# Altium PCB PCB.PcbDoc
Units mil, origin at the board's own origin, x right, y up, seen from the top; angles counter-clockwise.
Board outline 2933.07 x 3149.61 mil, 2 copper layers (Top Layer, Bottom Layer), stack 61.855 mil thick; 32 components, 26 nets, 107 pads, 47 vias.
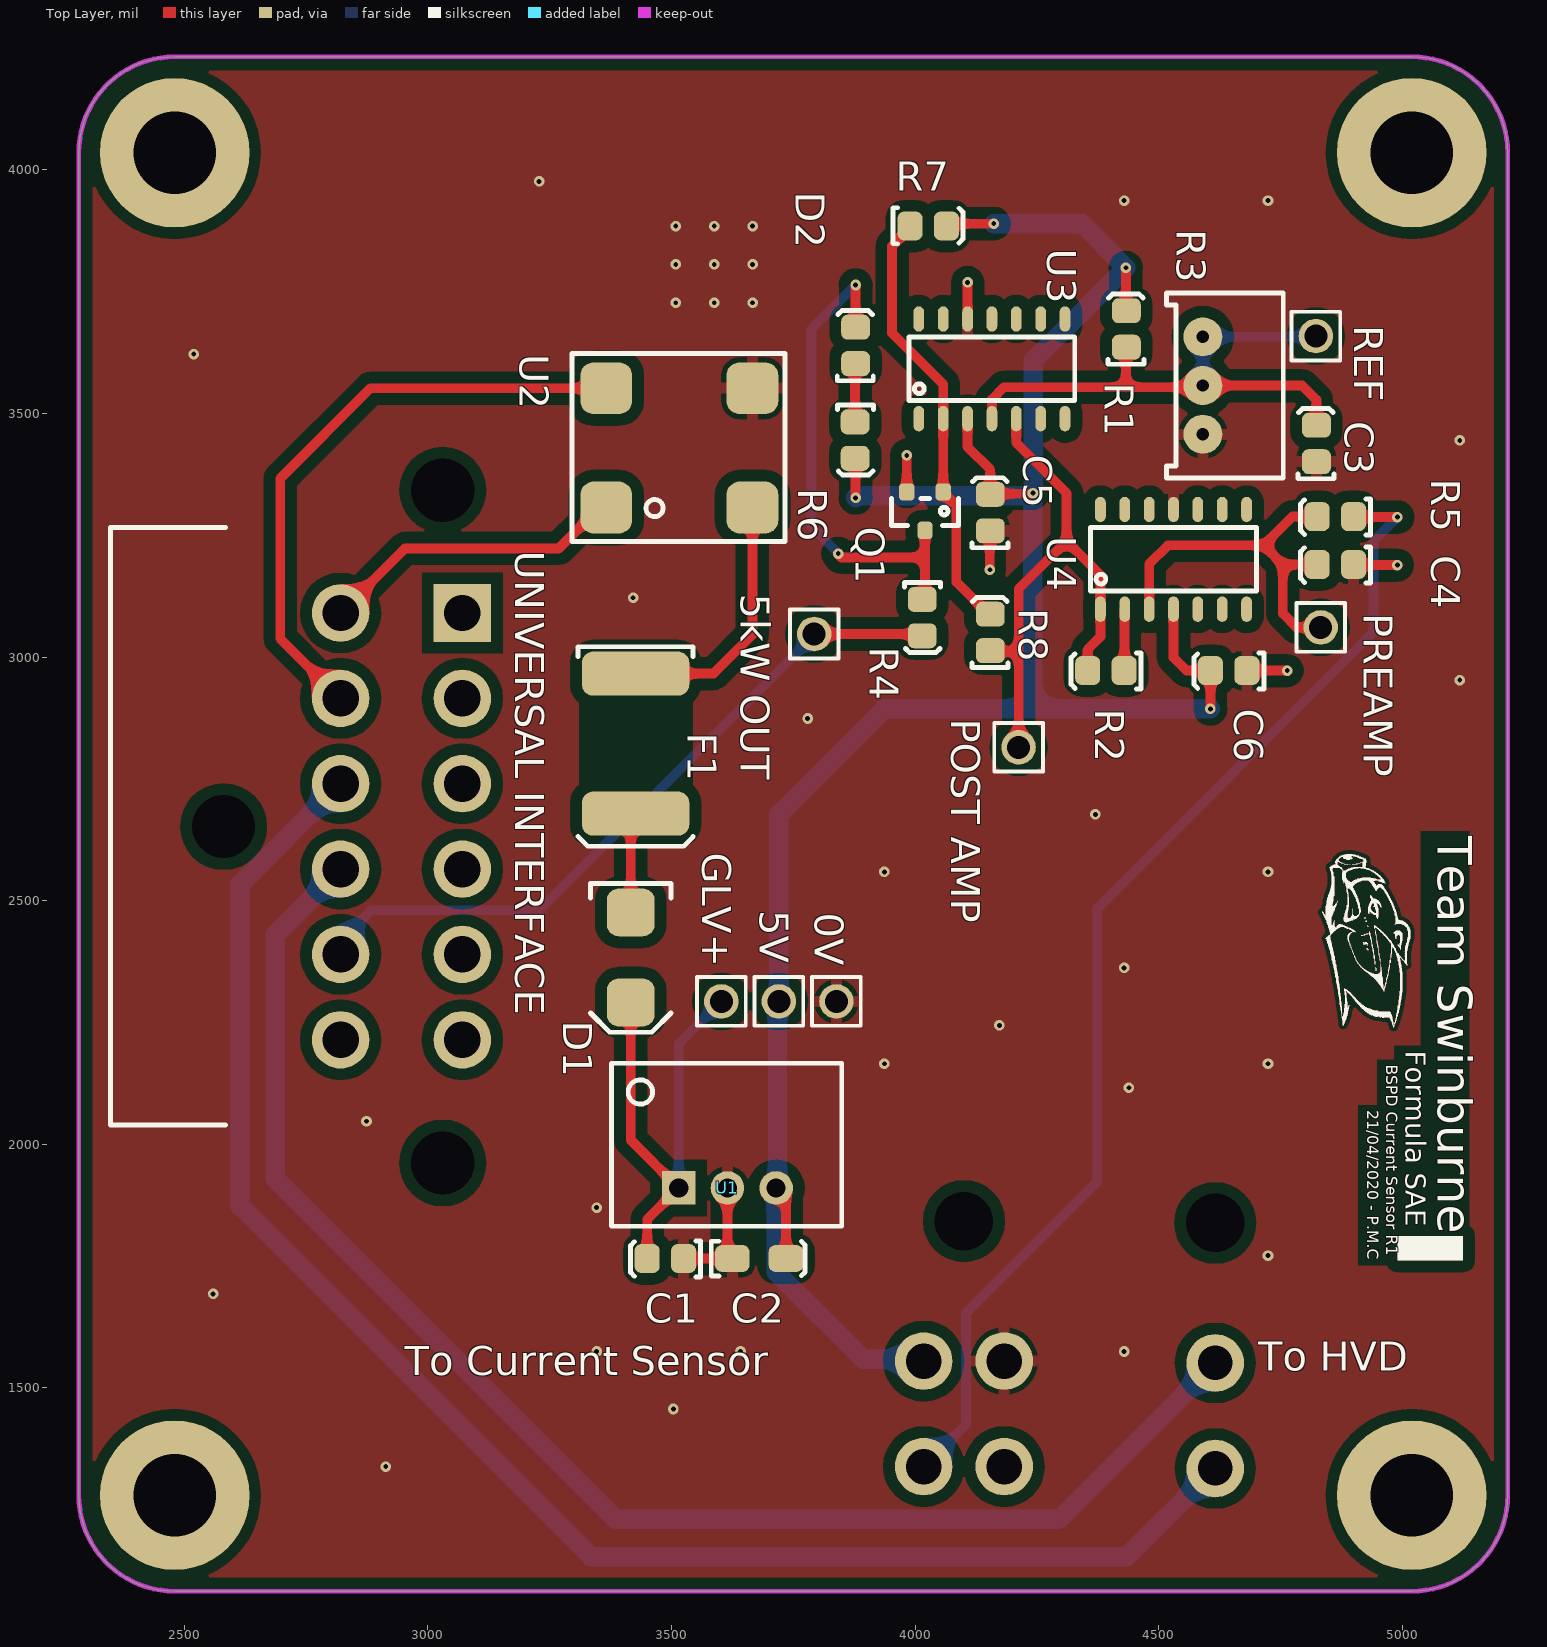
[diagram p0: Top Layer view]
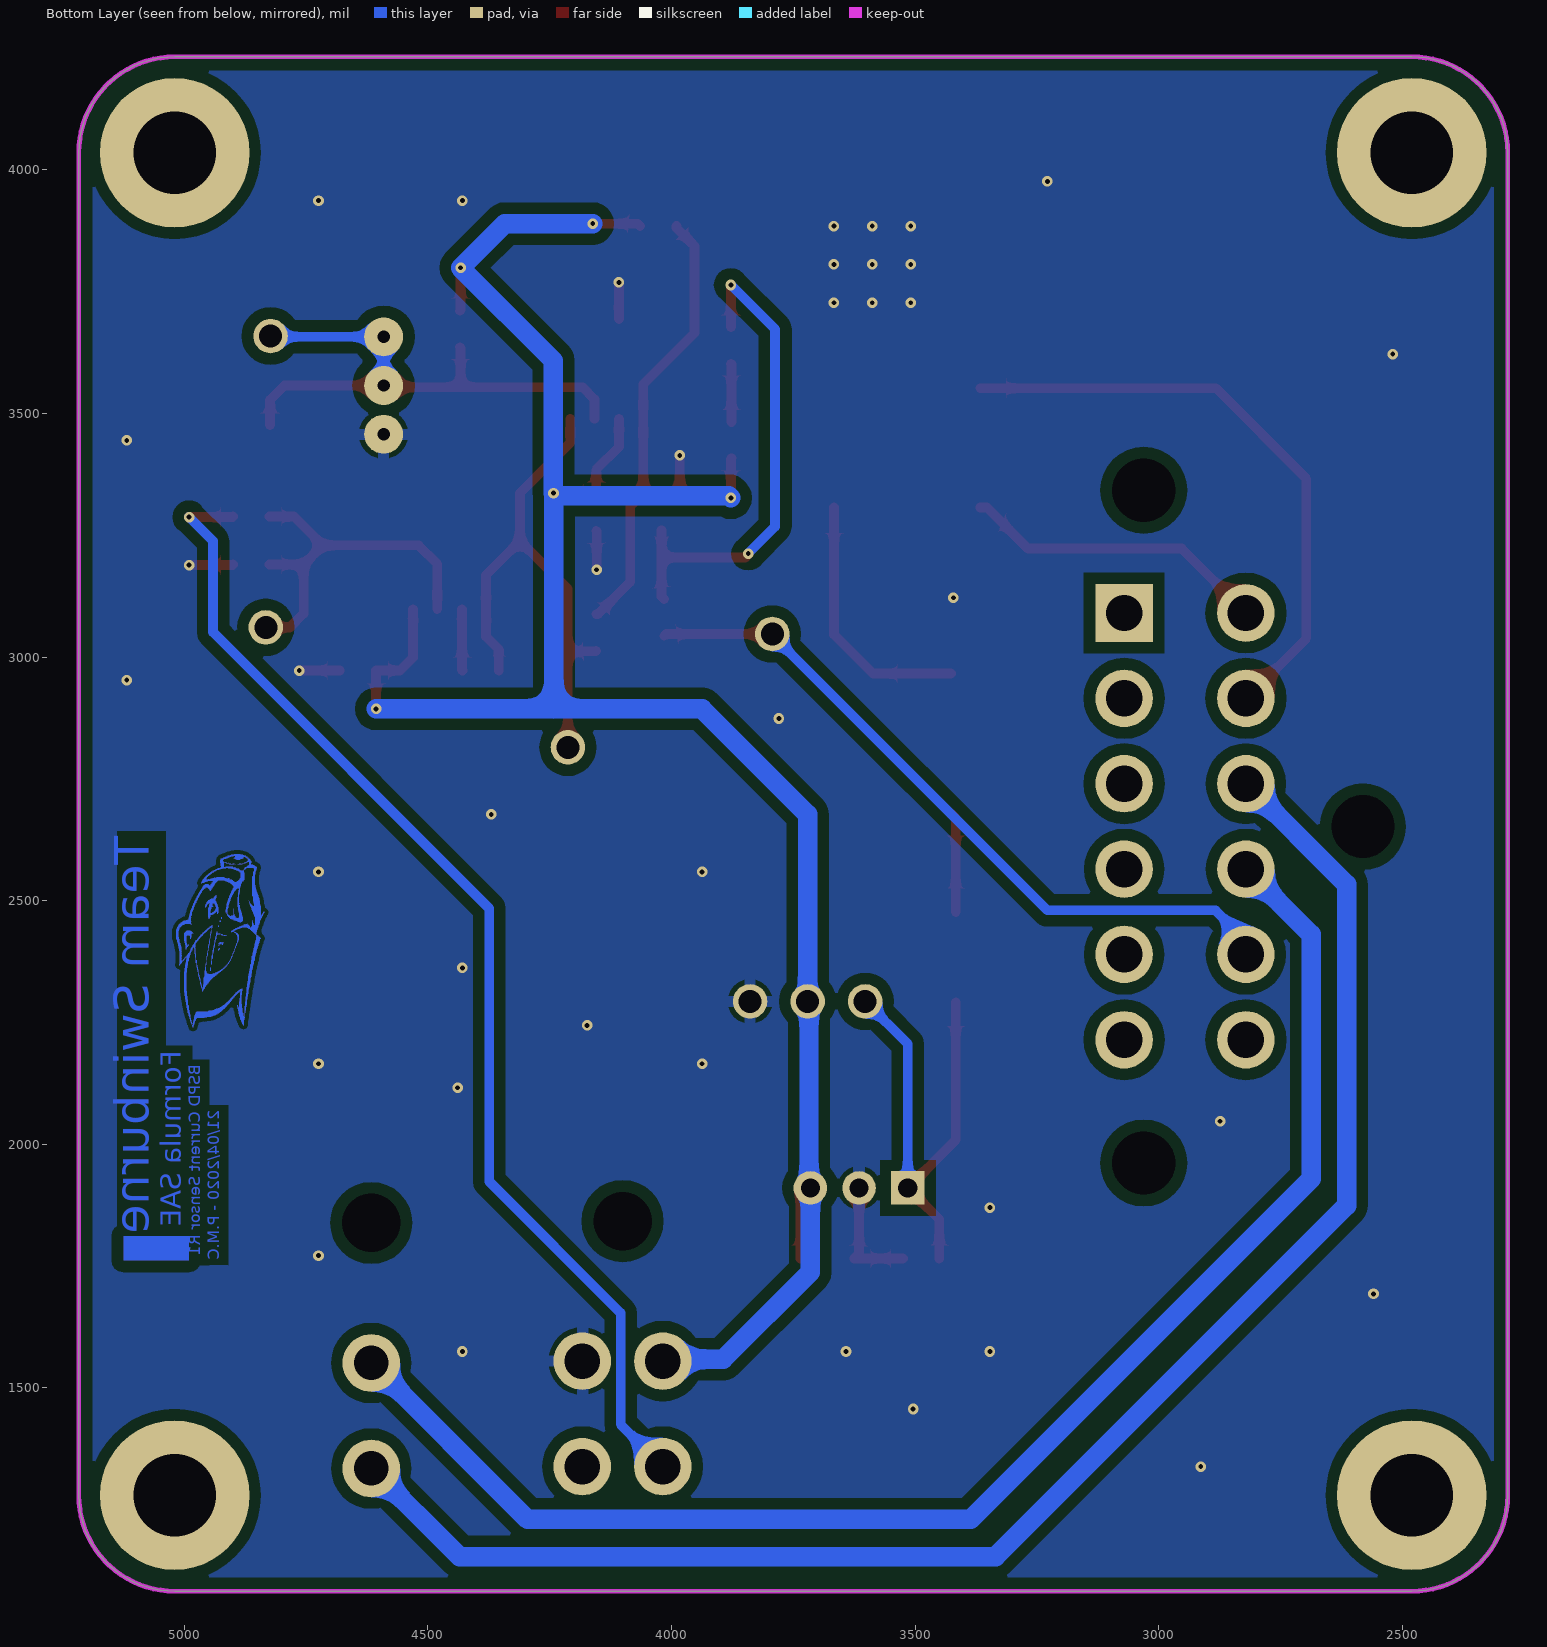
[diagram p1: Bottom Layer view, seen from below]
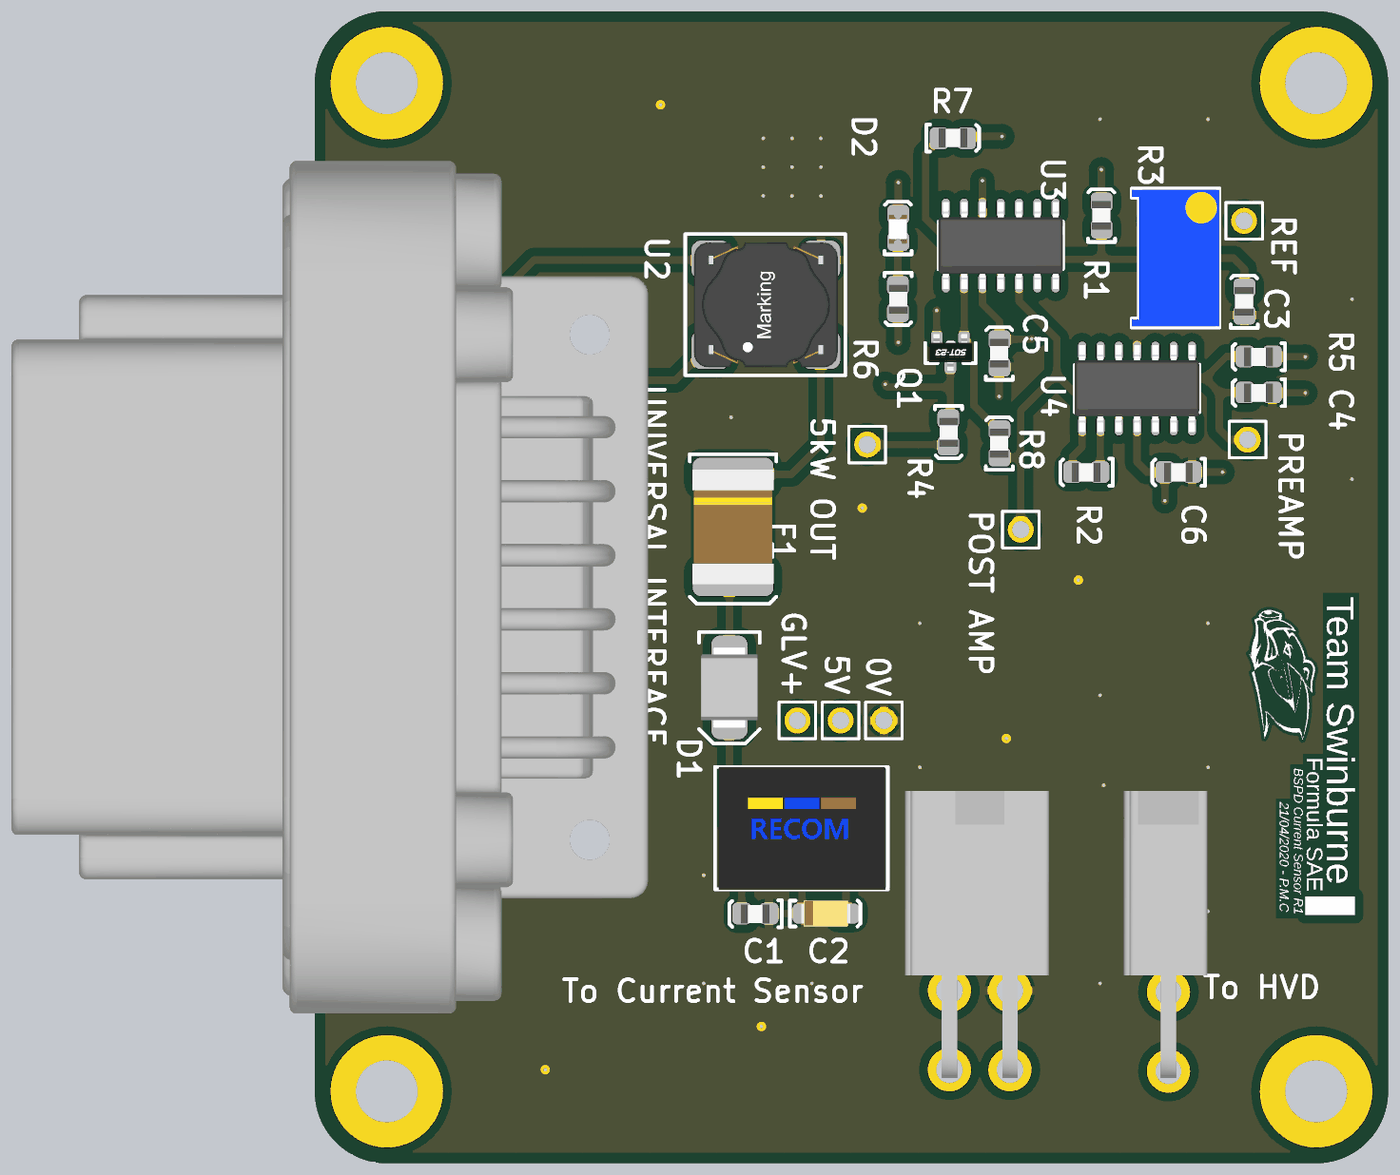
[diagram p2: 3D render of the assembled board from above, using the file's embedded part models]

## Layer stack, top to bottom
Top Solder: solder mask 0.4, Solder Resist, Dk 3.5
Top Layer: signal copper 1.4
Dielectric 1: dielectric 59.0551, FR-4, Dk 4.8
Bottom Layer: signal copper 1.4
Bottom Solder: solder mask 0.4, Solder Resist, Dk 3.5

## Board outline
2283.46,1279.53 ccw(c2480.31,1279.53) 2480.31,1082.68 5019.69,1082.68 ccw(c5019.69,1279.53) 5216.54,1279.53 5216.54,4035.43 ccw(c5019.69,4035.43) 5019.69,4232.28 2480.31,4232.28 ccw(c2480.31,4035.43) 2283.46,4035.43

## Design rules (kind name [scope] priority, off if disabled: settings)
Clearance [All] p1: gap=10 ignorepadtopadclearanceinfootprint=FALSE except(0: Arc-Hole Track-Hole SMDPad-Hole THPad-Hole Via-Hole Fill-Hole Poly-Hole Region-Hole Text-Hole; 3.94: THPad-THPad; 6: Arc-SMDPad Track-SMDPad SMDPad-SMDPad; 7.87: Arc-THPad Track-THPad SMDPad-THPad THPad-Via; 8: Arc-Arc Arc-Track Arc-Region Track-Track Track-Region SMDPad-Region THPad-Region Via-Region Fill-Region Poly-Region Region-Region; 23.62: Arc-Poly Track-Poly SMDPad-Poly THPad-Poly Via-Poly Fill-Poly Poly-Poly)
Height [All] p1: minheight=0 maxheight=1968.5 prefheight=500
HoleSize [All] p1: absolutevalues=TRUE maxlimit=393.7 minlimit=1 maxpercent=80.000 minpercent=20.000
PlaneClearance [All] p1: clearance=15.75
PlaneConnect [All] p1: pad.planeconnectstyle=Relief pad.reliefexpansion=20 pad.reliefentries=4 pad.reliefconductorwidth=31.5 pad.reliefairgap=10 via.planeconnectstyle=Direct via.reliefexpansion=20 via.reliefentries=4 via.reliefconductorwidth=31.5 via.reliefairgap=10
PolygonConnect [All] p1: thpad.connectstyle=Relief thpad.reliefconductorwidth=23.62 thpad.reliefentries=4 thpad.polygonreliefangle="90 Angle" thpad.airgapwidth=10 smdpad.connectstyle=Relief smdpad.reliefconductorwidth=23.62 smdpad.reliefentries=4 smdpad.polygonreliefangle="90 Angle" smdpad.airgapwidth=10 via.connectstyle=Direct via.reliefconductorwidth=23.62 via.reliefentries=4 via.polygonreliefangle="90 Angle" via.airgapwidth=10
RoutingVias [All] p1: holewidth=28 width=50 viastyle="Through Hole" minholewidth=8 minwidth=10 maxholewidth=28 maxwidth=50
SolderMaskExpansion [All] p1: expansion=2 istentingtop=FALSE
Width [All] p1: maxlimit=118.11 minlimit=5 preferedwidth=19.68
26 further rules are at their usual default settings.

## Components (designator, comment, footprint, x,y, rotation, side; value= is the part's Value field where it differs from the comment)
0V "0mm" "TH Test Point" 3838.58,2293.31 r0 top
"5kW OUT" "0mm" "TH Test Point" 3793.07,3047.48 r90 top
5V "0mm" "TH Test Point" 3720.47,2293.31 r270 top
C1 "10uF" 0805 3487.01,1764.52 r180 top
C2 "22uF" 1206 3727.24,1765.55 r0 top
C3 "100nF" 0805 4822.8,3439.05 r90 top
C4 "100nF" 0805 4862.2,3188.98 r180 top
C5 "100nF" 0805 4153.54,3297.24 r90 top
C6 "100nF" 0805 4643.23,2971.41 r180 top
D1 "SD560BTR" "SMB Diode" 3416.46,2466.34 r270 top
D2 "Blue" "0805 LED" 3876.92,3640.23 r90 top
F1 "0ZCF0200AF2C" 2920 3426.46,2966.14 r270 top
GLV+ "0mm" "TH Test Point" 3602.36,2293.31 r270 top
"POST AMP" "0mm" "TH Test Point" 4212.6,2814.96 r270 top
PREAMP "0mm" "TH Test Point" 4832.68,3061.02 r0 top
Q1 "2N7002K" "ON SOT-23 MOSFET" 4020.39,3299.68 r180 top
R1 "10k" 0805 4432.8,3674.05 r90 top
R2 "1k" 0805 4391.26,2971.41 r180 top
R3 "10K (Var)" "B 3296" 4612.8,3554.05 r270 top
R4 "100R" 0805 4015.75,3080.71 r270 top
R5 "1k" 0805 4862.2,3287.4 r180 top
R6 "1.5k" 0805 3877.95,3444.88 r270 top
R7 "3k" 0805 4027.56,3885.83 r0 top
R8 "1M" 0805 4153.54,3051.18 r90 top
REF "0mm" "TH Test Point" 4822.8,3659.05 r0 top
"To Current Sensor" "39300040" 39300040 4017.72,1555.12 r180 top
"To HVD" "39300020" 39300020 4616.14,1551.18 r180 top
U1 "R-78C5.0-1.0" "RECOM 3-SIP" 3514.88,1910.55 r0 top
U2 "744272121" "Wurth 4-PC Pad" 3666.14,3551.97 r180 top
U3 "LMV339IDR" "TI 14-SOIC" 4757.8,3386.97 r0 top
U4 "LM324D" "TI 14-SOIC" 5130.47,2996.06 r0 top
"UNIVERSAL INTERFACE" "DT13-12P" DT13-12P 2820.87,3090.55 r270 top

## Footprints (in the part's own frame and the unit in brackets; to place one, negate y for a bottom-side part, rotate by r counter-clockwise, add the part's x,y. Pads: shape width x height; smd on the part's side, far side on the other; paste and mask are expansions set on the pad)
0805 [mil]
  rrect50% 51.18x59.06 smd: 1(-37.87,-1.03) 2(36.93,-1.03)
  silkscreen extent -73,-37 71,37, body extent -39,-26 39,26, height 29
"0805 LED" [mil]
  rrect50% 51.18x59.06 smd: A(-37.87,-1.03) K(36.93,-1.03)
  silkscreen extent -73,-37 71,37, body extent -43,-25 35,25, height 39
1206 [mm]
  rrect50% 1.8x1.4 smd: 1(-2.6,0) 2(0.2,0)
  silkscreen extent -3.7,-0.9 1.2,0.9, body extent -2.9,-0.9 0.5,0.9, height 1.85
2920 [mm]
  rrect50% 2.3x5.6 smd: 1(0,0) 2(7.3,0)
  silkscreen extent -1.4,-3 9,3, body extent -0.34,-2.81 7.64,2.81, height 1.14
39300020 [mm]
  round 3 hole 1.8: 1(0,0) 2(0,5.5)
  round 1.524 hole 3.05: ""(0,-7.3)
  body extent -2.7,-13.97 3.1,5.97, height 11.4
39300040 [mm]
  round 3 hole 1.85: 1(0,0) 2(0,5.5) 3(-4.2,0) 4(-4.2,5.5)
  round 1.524 hole 3.05: ""(-2.1,-7.3)
  body extent -6.9,-13.87 3.1,6.07, height 11.4
"B 3296" [mil]
  round 80 hole 25.2: 1(-103.39,-22) 2(-3.39,-22) 3(96.61,-22)
  silkscreen extent -193,-97 187,143, body extent -191,-97 184,143, height 455
DT13-12P [mm]
  round 3 hole 3.3 unplated: 0(-6.405,5.33) 0(11.135,-6.1) 0(28.675,5.33)
  rect 3x3 hole 1.9: 1(0,6.35)
  round 3 hole 1.9: 2(4.45,6.35) 3(8.9,6.35) 4(13.35,6.35) 5(17.8,6.35) 6(22.25,6.35) 7(22.25,0) 8(17.8,0) 9(13.35,0) 10(8.9,0) 11(4.45,0) 12(0,0)
  silkscreen extent -4.45,-12 26.7,-6, body extent -18.6,-34.7 40.6,9.5, height 35.63
"ON SOT-23 MOSFET" [mm] "NUP2105L"
  rrect50% 0.8x0.9 smd: D(0,1) G(-0.95,-1) S(0.95,-1)
  silkscreen extent -1.75,-0.66 1.75,0.75, body extent -1.5,-1.27 1.5,1.28, height 1
"RECOM 3-SIP" [mm] "12 to 42 Vdc In, 9 Vdc Out"
  rect 1.75x1.75 hole 1: 1(0,0)
  round 1.75 hole 1: 2(2.54,0) 3(5.08,0)
  silkscreen extent -3.5,-2 8.5,6.5, body extent -3.26,-2.02 8.34,6.48, height 11.41
"SMB Diode" [mm]
  rrect50% 2.5x2.5 smd: A(-0.25,0) K(4.45,0)
  silkscreen extent -1.75,-2.1 6,2.1, body extent -0.69,-1.97 4.9,1.97, height 2.5
"TH Test Point" [mm]
  round 1.8 hole 1.2: 1(0,0)
  silkscreen extent -1.27,-1.27 1.27,1.27
"TI 14-SOIC" [mil]
  oval 22x52 smd: 1(-750,102.36) 2(-700,102.36) 3(-650,102.36) 4(-600,102.36) 5(-550,102.36) 6(-500,102.36) 7(-450,102.36) 8(-450,307.09) 9(-500,307.09) 10(-550,307.09) 11(-600,307.09) 12(-650,307.09) 13(-700,307.09) 14(-750,307.09)
  silkscreen extent -770,140 -430,270, body extent -770,86 -430,323, height 69
"Wurth 4-PC Pad" [mm]
  rrect50% 2.7x2.7 smd: 1(7.62,6.22) 2(0,6.22) 3(0,0) 4(7.62,0)
  silkscreen extent -1.7,-1.8 9.4,8, body extent -1.19,-1.24 8.81,7.46, height 6.2

## Part data
0V "5kW OUT" 5V GLV+ "POST AMP" PREAMP REF: library part "TH Test Point", Angle=0, Contact=NA, Flange=No, Part Number="TH Test Point", Pitch=0mm, Positions=1, Row Spacing=0mm
C1: library part GRM21BR6YA106KE43L, Digikey Part Number=490-10514-6-ND, Manufacturer=muRata, Rated Voltage=50V, Tolerance=10%, Material=X5R, Part Number=GRM21BR6YA106KE43L
C2: library part CC1206MKX5R7BB226, Digikey Part Number=311-1997-2-ND, Manufacturer=YAGEO, Rated Voltage=16V, Tolerance=20%, Material=Ceramic, Part Number=CC1206MKX5R7BB226
C3 C4 C5 C6: library part GCM21BR71E104KA37L, Manufacturer=muRata, Rated Voltage=25V, Tolerance=10%, Material=X7R, Part Number=GCM21BR71E104KA37L
D1: "1.2V_F 600V 5A SMB", Digikey Part Number=1655-1530-2-ND, Manufacturer="SMC Diode Solutions", Digikey Link=https://www.digikey.com/product-detail/en/smc-diode-solutions/SD560BTR/1655-1530-2-ND/6022620, Part Number=SD560BTR
D2: library part SML-MN2BCTT86C, "LED BLUE CLEAR 2012 SMD", Digikey Part Number=846-1207-1-ND, Manufacturer="ROHM Semiconductor", Colour=Blue, Digikey Link=https://www.digikey.com/product-detail/en/rohm-semiconductor/SMLMN2BCTT86C/846-1207-1-ND/6057239, Part Number=SML-MN2BCTT86C
F1: "SMD 24V 2A Fuse", Digikey Part Number=507-1749-2-ND, Manufacturer="Bel Fuse Inc", Digikey Link=https://www.digikey.com/product-detail/en/bel-fuse-inc/0ZCF0200AF2C/507-1749-2-ND/4156090, Part Number=0ZCF0200AF2C
Q1: "60V 380mA, NFET MOSTFET (Small Signal)", Digikey Part Number=2N7002KCT-ND, Manufacturer="ON Semiconductor", Digikey Link=https://www.digikey.com/product-detail/en/on-semiconductor/2N7002K/2N7002KCT-ND/2060375, LatestRevisionDate=29-May-2009, LatestRevisionNote="IPC-7351 Footprint Added.", PackageDescription="4-Pin SOT-343 Package 1.3 mm Pitch, 2.1 mm Lead Span", PackageReference=SOT-343, PackageVersion=Sep-2000, Part Number=2N7002K, Published=24-Mar-1999, Publisher="Altium Limited", Qty=30
R1: library part RC0805FR0710KL, Manufacturer=YAGEO, Rated Voltage=0.125W, Tolerance=0.01, Material=FR-07, Part Number=RC0805FR0710KL
R2 R5: library part RC0805FR071KL, Manufacturer=YAGEO, Rated Voltage=0.125W, Tolerance=0.01, Material=FR-07, Part Number=RC0805FR071KL
R3: library part 3296W-1-103LF, Digikey Part Number=3296W-103LF-ND, Manufacturer="Bournes Inc", Rated Voltage=0.5W, Tolerance=0.1, Part Number=3296W-1-103LF
R4: library part RC0805FR07100RL, Manufacturer=YAGEO, Rated Voltage=0.125W, Tolerance=0.01, Material=FR-07, Part Number=RC0805FR07100RL
R6: library part RC0805FR071K5L, Manufacturer=YAGEO, Rated Voltage=0.125W, Tolerance=0.01, Material=FR-07, Part Number=RC0805FR071K5L
R7: library part RC0805FR073KL, Manufacturer=YAGEO, Rated Voltage=0.125W, Tolerance=0.01, Material=FR-07, Part Number=RC0805FR073KL
R8: library part RC0805FR071ML, Digikey Part Number=311-1.00MCRCT-ND, Manufacturer=YAGEO, Rated Voltage=0.125W, Tolerance=0.01, Material=FR-07, Part Number=RC0805FR071ML
"To Current Sensor": Digikey Part Number=WM21352-ND, Angle=90, Contact=Tin, Flange=No, Part Number=39300040, Pitch=4.2mm, Positions=4, Row Spacing=5.5mm
"To HVD": Digikey Part Number=WM21351-ND, Angle=90, Contact=Tin, Flange=No, Part Number=39300020, Pitch=4.2mm, Positions=2, Row Spacing=5.5mm
U1: "CONV DC/DC 1A 5V OUT SIP VERT", Digikey Part Number=945-1395-5-ND, Manufacturer=Recom, Digikey Link=https://www.digikey.com.au/product-detail/en/recom-power/R-78C5.0-1.0/945-1395-5-ND/2652148, Isolation=Non-Isolated, Part Number=R-78C5.0-1.0
U2: "Common Mode Choke 120UH 2.5A 2LN 460 OHM SMD", Digikey Part Number=732-1489-2-ND, Manufacturer="Wurth Electronics Inc", Digikey Link=https://www.digikey.com/product-detail/en/wurth-electronics-inc/744272121/732-1489-2-ND/1638893, Part Number=744272121
U3: "Comparator General Purpose Open Collector 14-SOIC", Digikey Part Number=296-6611-2-ND, Manufacturer="Texas Instruments", Digikey Link=https://www.digikey.com/product-detail/en/texas-instruments/LMV339MTX-NOPB/296-35446-1-ND/3739150, Part Number=LMV339IDR
U4: "IC OPAMP GP 4 CIRCUIT 14SOIC", Digikey Part Number=296-1390-5-ND, Manufacturer="Texas Instruments", Digikey Link=https://www.digikey.com/product-detail/en/texas-instruments/LM324D/296-1390-5-ND/277039, Part Number=LM324D
"UNIVERSAL INTERFACE": library part DT13-12P[[/\]]DT13-12P, Digikey Part Number=1734-1451-ND, Angle=90, Contact=Nickel, Digikey Link=https://www.digikey.com.au/product-detail/en/te-connectivity-deutsch-connectors/DT13-12PA/1734-1451-ND/7220123, Flange=Yes, Part Number=DT13-12P, Pitch=4.44mm, Positions=12, Row Spacing=6.35mm

## Free pads (board coordinates)
  round 307.09 hole 169.29: 3(2480.31,1279.53) 3(2480.31,4035.43) 3(5019.69,1279.53) 3(5019.69,4035.43)

## Via types
v1: diameter 21.65, hole 9.84, Top Layer to Bottom Layer, tented both sides, 38 vias
v2: diameter 21.65, hole 9.84, Top Layer to Bottom Layer, 9 vias

## Nets (pads, with @x,y where several pads share a name; then routed paths per layer and width w, separated by ;. In a path a pad name is that pad's centre, name@x,y a point inside that pad or via, vN(x,y) a via of type N, cw(c..) or ccw(c..) an arc to the next point about the centre after c; other vN are vias at no path point)
0V: 0V.1 "To Current Sensor.3" C1.1 C2.1 C3.1 C4.1 C5.1 C6.1 Q1.S R3.3 U1.2 U2.3 U3.12 U4.11 | length 653.1
  Top Layer w20: C1.1 C2.1 3614.88,1775.55 U1.2 ; v1(3982.8,3414.05) 3982.89,3413.96 3982.89,3339.15 Q1.S ; U3.12 v1(4107.8,3769.05) ; v1(4153.54,3179.13) 4153.54,3258.34 C5.1 ; C6.1 v1(4763.78,2972.44) ; C4.1 4901.11,3188.98 v1(4990.16,3188.98)
  other v1: 3346.46,1574.8 3641.73,1574.8 4429.13,1574.8 4724.41,1771.65 3346.46,1870.08 4438.98,2116.14 3937.01,2165.35 4724.41,2165.35 4429.13,2362.2 3937.01,2559.06 4724.41,2559.06 5118.11,2952.76 3421.26,3122.05 5118.11,3444.88 3508.94,3727.28 3587.68,3727.28 3666.42,3727.28 3508.94,3806.02 3587.68,3806.02 3666.42,3806.02 3508.94,3884.76 3587.68,3884.76 3666.42,3884.76 4429.13,3937.01 4724.41,3937.01
  other v2: 2913.39,1338.58 3503.94,1456.69 2559.06,1692.91 2874.02,2047.24 4173.23,2244.09 4370.08,2677.17 3779.53,2874.02 2519.68,3622.05 3228.35,3976.38
5kW: "5kW OUT.1" "UNIVERSAL INTERFACE.8" R4.2 | length 1460.6
  Top Layer w20: 3793.07,3047.48 4011.02,3047.48 R4.2
  Bottom Layer w20: 2820.16,2417.6 2882.87,2480.32 3228.35,2480.32 3789.37,3041.34 3789.37,3051.18
5V: 5V.1 "To Current Sensor.1" C2.2 C5.2 C6.2 R1.2 R6.2 R7.2 U1.3 U3.3 U4.4 | length 4904.8
  Top Layer w20: U1.3 3735.12,1890.32 C2.2 ; R6.2 3877.95,3406.92 v1(3877.95,3326.77) ; R7.2 4069.46,3889.76 v1(4161.42,3889.76) ; U3.3 4107.8,3431.57 4154.57,3384.8 C5.2 4155.8,3335.39 4240.9,3335.39 v1(4242.13,3336.61) ; v1(4432.8,3799.05) 4432.8,3712.01 R1.2 ; U4.4 4530.47,2999.05 4557.09,2972.44 C6.2 v1(4606.3,2893.7)
  Bottom Layer w40: v1(3877.95,3326.77) 3882.87,3331.69 4237.2,3331.69 v1@4241.14,3335.63 ; 4015.75,1555.12 4011.81,1559.06 3893.7,1559.06 3714.88,1737.87 U1.3 3717.68,1913.35 3717.68,2290.51 5V.1 3720.47,2677.17 3937.01,2893.7 4241.14,2893.7 ; v1(4161.42,3889.76) 4342.09,3889.76 v1(4432.8,3799.05) 4242.13,3608.39 v1(4242.13,3336.61) v1@4241.14,3335.63 ; v1(4606.3,2893.7) 4241.14,2893.7 ; 4241.14,2893.7 v1@4241.14,3335.63
CAN1H: "UNIVERSAL INTERFACE.5"
CAN1L: "UNIVERSAL INTERFACE.4"
CAN2H: "UNIVERSAL INTERFACE.3"
CAN2L: "UNIVERSAL INTERFACE.2"
CAN3H: "UNIVERSAL INTERFACE.7"
CAN3L: "UNIVERSAL INTERFACE.6"
CANS: "UNIVERSAL INTERFACE.1"
GLV+: "UNIVERSAL INTERFACE.12" U2.1 | length 635.7
  Top Layer w20: 2820.16,3090.55 2952.76,3223.15 3268.7,3223.15 3352.64,3307.09 U2.1
GLV-: "UNIVERSAL INTERFACE.11" U2.4 | length 1248.1
  Top Layer w20: 2820.16,2915.35 2696.85,3038.66 2696.85,3366.14 2882.68,3551.97 U2.4